# KiCad board BDCMotorController.kicad_pcb (continued)
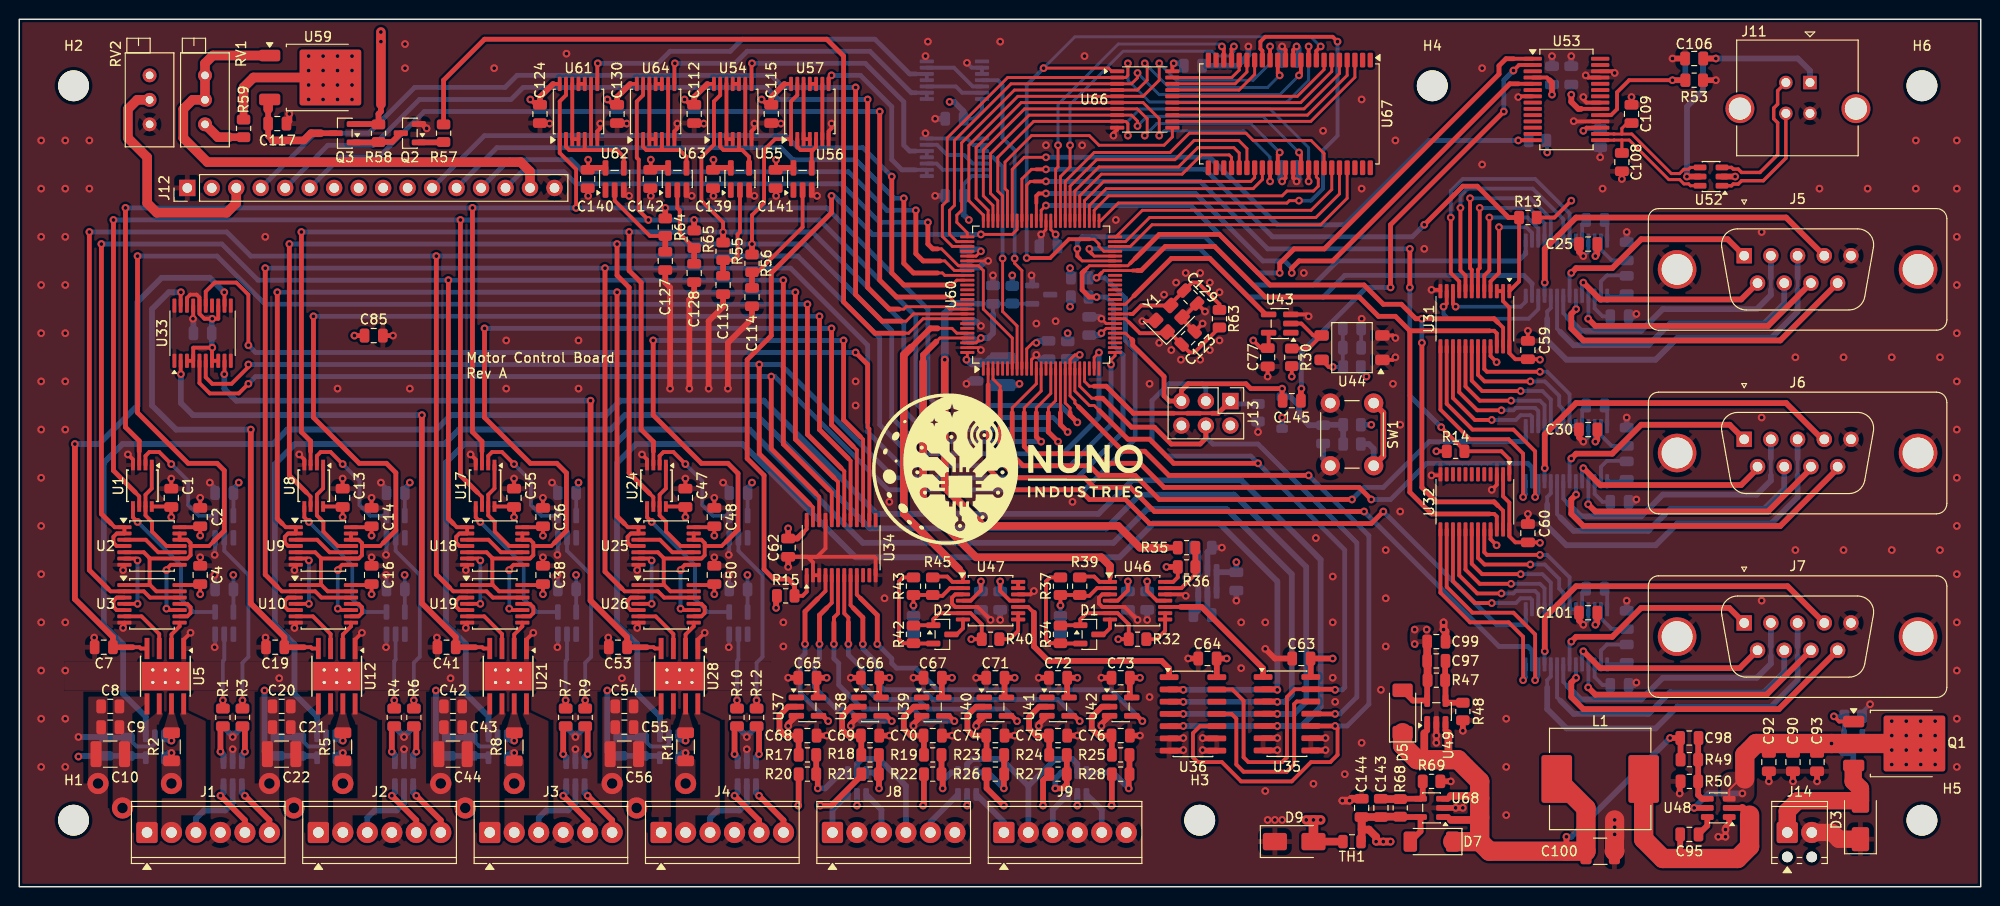
[diagram p0: board, top side]
## Library data of the parts
C1 C2 C4-C8 C11 C13 C14 C16-C20 C23 C35 C36 C38-C42 C45 C47 C48 C50-C54 C57 C61 C62 C65-C67 C71-C73 C77 C112 C115-C117 C124 C130 C132 C139-C142 = -: KiLib_Generator: SMD_2terminal_chip_molded; ki_fp_filters: C_*
C3 C12 C15 C24 C37 C46 C49 C58 C113 C114 C127 C128 = -: Datasheet: https://lcsc.com/datasheet/lcsc_datasheet_2506131735_YAGEO-CC0805KRX7R9BB101_C107140.pdf; Description: Unpolarized capacitor; KiLib_Generator: SMD_2terminal_chip_molded; MPN: CC0805KRX7R9BB101; Status: OK; ki_fp_filters: C_*
C9 C21 C43 C55 = -: Datasheet: https://www.lcsc.com/datasheet/lcsc_datasheet_2304140030_Murata-Electronics-GRM21BR61E106MA73L_C391262.pdf; KiLib_Generator: GRM21BR61E106MA73L; ki_fp_filters: C_*
C10 C22 C44 C56 = -: Datasheet: https://www.lcsc.com/datasheet/lcsc_datasheet_2212021100_Murata-Electronics-GRM32ER61C476KE15L_C77101.pdf; KiLib_Generator: GRM32ER61C476KE15L; ki_fp_filters: CP_*
C25-C34 C59 C60 C63 C64 C68-C70 C74-C76 C78-C84 C90 C91 C94-C97 C101-C107 C110 C118-C122 C125 C126 C131 C133-C138 C143 C145 = -: Description: Unpolarized capacitor; KiLib_Generator: SMD_2terminal_chip_molded; ki_fp_filters: C_*
C85 C92 C93 C99 C111 C144 = -: Datasheet: https://www.lcsc.com/datasheet/lcsc_datasheet_2304140030_Murata-Electronics-GRM21BR61E106MA73L_C391262.pdf; Description: Unpolarized capacitor; KiLib_Generator: GRM21BR61E106MA73L; ki_fp_filters: C_*
C98 C108 C109 C123 C129 = -: Datasheet: https://www.lcsc.com/datasheet/lcsc_datasheet_2304140030_FH--Guangdong-Fenghua-Advanced-Tech-0805CG130J500NT_C501858.pdf; Description: Unpolarized capacitor; KiLib_Generator: SMD_2terminal_chip_molded; Status: OK; MPN: 0805CG130J500NT; ki_fp_filters: C_*
C100 = -: Datasheet: https://www.lcsc.com/datasheet/lcsc_datasheet_2212021100_Murata-Electronics-GRM32ER61C476KE15L_C77101.pdf; Description: Unpolarized capacitor; KiLib_Generator: GRM32ER61C476KE15L; ki_fp_filters: C_*
D1 D2 = -: Datasheet: kicad-embed://BAV99_SER.pdf; Description: BAV99 High-speed switching diodes, SOT-23; KiLib_Generator: package/gullwing; MPN: BAV99,215; Status: OK; ki_fp_filters: SOT?23*
D3 = -: Datasheet: kicad-embed://Littelfuse-TVS-Diode-SMAJ-Datasheet.pdf; Description: 400W bidirectional Transient Voltage Suppressor, 16.0Vr, SMA(DO-214AC); Status: OK; ki_fp_filters: D*SMA*
D4 = -: Datasheet: kicad-embed://bzx84c2v4.pdf; Description: 300mW Zener Diode, SOT-23; KiLib_Generator: package/gullwing; MPN: BZX84C10-7-F; Status: OK; ki_fp_filters: SOT?23*
D5 D7 = -: Datasheet: kicad-embed://CMS30I30A_datasheet_en_20170118.pdf; Description: Schottky diode; MPN: CMS30I30A(TE12L,QM; Status: OK; ki_fp_filters: TO-???* *_Diode_* *SingleDiode* D_*
D6 = -: Datasheet: kicad-embed://MMSD4148T1-D.PDF; Description: Diode; Sim.Device: D; Sim.Pins: 1=K 2=A; Status: OK; MPN: MMSD4148T1G; ki_fp_filters: TO-???* *_Diode_* *SingleDiode* D_*
D9 = -: Datasheet: kicad-embed://Littelfuse-TVS-Diode-SMAJ-Datasheet.pdf; Description: 400W bidirectional Transient Voltage Suppressor, 5.0Vr, SMA(DO-214AC); Status: OK; ki_fp_filters: D*SMA*
H1-H6 = -: Description: Mounting Hole without connection; KiLib_Generator: mounting_hardware/mounting_hole; ki_fp_filters: MountingHole*
J1-J4 J8 J9 = -: Datasheet: kicad-embed://pxc_1725698_09_03_MPT-0-5-6-2-54_FAM.pdf; Description: Generic screw terminal, single row, 01x06, script generated (kicad-library-utils/schlib/autogen/connector/); KiLib_Generator: terminal_block/Phoenix; MPN: 1725698; Status: OK; ki_fp_filters: TerminalBlock*:*
J5-J7 = -: Datasheet: kicad-embed://ENG_CD_2301826_D.pdf; Description: 9-pin D-SUB connector, pins (male), Mounting Hole; KiLib_Generator: connector/D_sub; MPN: 2301826-2; Status: OK; ki_fp_filters: DSUB*Pins*
J11 = -: Datasheet: kicad-embed://ENG_DS_7_1773442_0_0306.pdf; Description: USB Type B connector; Status: OK; MPN: 5787834-1; ki_fp_filters: USB*
J12 = -: Description: Generic connector, single row, 01x16, script generated (kicad-library-utils/schlib/autogen/connector/); KiLib_Generator: connector/pin_header_socket; ki_fp_filters: Connector*:*_1x??_*
J13 = -: Datasheet: https://www.lcsc.com/datasheet/lcsc_datasheet_2306091006_HCTL-PZ254-2-03-Z-8-5_C2894964.pdf; Description: Generic connector, double row, 02x03, odd/even pin numbering scheme (row 1 odd numbers, row 2 even numbers), script generated (kicad-library-utils/schlib/autogen/connector/); KiLib_Generator: connector/pin_header_socket; Status: OK; MPN: PZ254-2-03-Z-8.5; ki_fp_filters: Connector*:*_2x??_*
J14 = -: Datasheet: kicad-embed://pxc_1725656_09_03_MPT-0-5-2-2-54_FAM.pdf; Description: Generic screw terminal, single row, 01x02, script generated (kicad-library-utils/schlib/autogen/connector/); KiLib_Generator: terminal_block/Phoenix; MPN: 1725656; Status: OK; ki_fp_filters: TerminalBlock*:*
L1 = -: Datasheet: https://www.lcsc.com/datasheet/C845077.pdf; Description: Inductor; KiLib_Generator: IHLP4040DZER4R7M01; Status: OK; ki_fp_filters: Choke_* *Coil* Inductor_* L_*
L2 = -: Datasheet: https://product.tdk.com/en/system/files/dam/doc/product/inductor/inductor/smd/catalog/inductor_commercial_standard_nlv32-ef_en.pdf; Description: Inductor; KiLib_Generator: NLV32T-100J-EF; Status: OK; ki_fp_filters: Choke_* *Coil* Inductor_* L_*
Q1 = -: Datasheet: kicad-embed://infineon-irfr5305-datasheet-en.pdf; Description: -35A Id, -60V Vds, P-Channel Power MOSFET, 25mOhm Ron, 25.0nC Qg (typ), TO252; KiLib_Generator: IRFR5305TRPBF; Status: OK; ki_fp_filters: TO?252*
Q2 = -: Datasheet: kicad-embed://BC847X_SER.pdf; Description: 0.1A Ic, 45V Vce, NPN Transistor, SOT-23; KiLib_Generator: package/gullwing; MPN: BC847C,215; Status: OK; ki_fp_filters: SOT?23*
Q3 = -: Datasheet: kicad-embed://infineon-irlml5203-datasheet-en.pdf; Description: -3.0A Id, -30V Vds, 98mOhm Rds, P-Channel HEXFET Power MOSFET, SOT-23; KiLib_Generator: package/gullwing; MPN: IRLML5203TRPBF; Status: OK; ki_fp_filters: SOT?23*
R1 R3 R4 R6 R7 R9 R10 R12-R14 R17-R28 R32-R46 R48 R50-R54 R57-R60 R62 R69 = -: Description: Resistor; KiLib_Generator: SMD_2terminal_chip_molded; ki_fp_filters: R_*
R2 R5 R8 R11 = -: Datasheet: https://lcsc.com/datasheet/lcsc_datasheet_2410121306_TA-I-Tech-RLH12FTCR150_C2683383.pdf; KiLib_Generator: RLH12FTCR150; Status: OK; ki_fp_filters: R_*
R15 R16 R30 R31 R66 R67 = -: KiLib_Generator: SMD_2terminal_chip_molded; ki_fp_filters: R_*
R29 R61 = -: Datasheet: https://datasheet.lcsc.com/lcsc/2012011712_YAGEO-AC0805FR-7W160RL_C727986.pdf; KiLib_Generator: SMD_2terminal_chip_molded; MPN: AC0805FR-7W160RL; Status: OK; ki_fp_filters: R_*
R47 R68 = -: Datasheet: https://www.lcsc.com/datasheet/lcsc_datasheet_2304140030_YAGEO-RT0805BRD0780K6L_C728657.pdf; Description: Resistor; KiLib_Generator: SMD_2terminal_chip_molded; Status: OK; MPN: RT0805BRD0780K6L; ki_fp_filters: R_*
R49 = -: Datasheet: https://www.lcsc.com/datasheet/lcsc_datasheet_2405061538_RESI-PTFR0805B61K9P9_C2849298.pdf; Description: Resistor; KiLib_Generator: SMD_2terminal_chip_molded; Status: OK; MPN: PTFR0805B61K9P9; ki_fp_filters: R_*
R55 R56 R63-R65 = -: Datasheet: https://www.lcsc.com/datasheet/lcsc_datasheet_1810311438_YAGEO-RT0805BRD07100KL_C122537.pdf; Description: Resistor; KiLib_Generator: SMD_2terminal_chip_molded; MPN: RT0805BRD07100KL; Status: OK; ki_fp_filters: R_*
RV1 = -: Datasheet: https://www.lcsc.com/datasheet/C111790.pdf; Description: Potentiometer; KiLib_Generator: potentiometer/THT; MPN: 3296X-1-201LF; Status: OK; ki_fp_filters: Potentiometer*
RV2 = -: Datasheet: https://www.lcsc.com/datasheet/C111776.pdf; Description: Potentiometer; KiLib_Generator: potentiometer/THT; MPN: 3296X-1-103LF; Status: OK; ki_fp_filters: Potentiometer*
SW1 = -: Datasheet: https://www.lcsc.com/datasheet/C513492.pdf; Description: Push button switch, generic, two pins; Status: OK; MPN: 2-1825910-7
TH1 = -: Datasheet: kicad-embed://mf-psmf.pdf; Description: Temperature dependent resistor, positive temperature coefficient; KiLib_Generator: MF-PSMF035X-2; Status: OK; ki_fp_filters: R_* RV_*
U1 U8 U17 U24 = -: Datasheet: kicad-embed://74AHC_AHCT2G125.pdf; Description: Dual Buffer Tri-State, Low-Voltage CMOS; MPN: 74AHC2G125DP,125; Status: OK; ki_fp_filters: VSSOP*
U2 U3 U9 U10 U18 U19 U25 U26 U54 U57 U58 U61 U64 U65 = -: Datasheet: kicad-embed://sn74ahc00.pdf; Description: quad 2-input NAND gate; KiLib_Generator: package/gullwing; MPN: SN74AHC00PWR; Status: OK; ki_fp_filters: DIP*W7.62mm* SO14*
U4 U6 U11 U13 U20 U22 U27 U29 U37-U43 U55 U56 U62 U63 = -: Datasheet: kicad-embed://74AHC_AHCT1G17.pdf; Description: Single Schmitt Buffer Gate, Low-Voltage CMOS; KiLib_Generator: package/gullwing; MPN: 74AHC1G17GVH; Status: OK; ki_fp_filters: SOT?23* SOT?553* Texas?R-PDSO-G5?DCK* Texas?R-PDSO-N5?DRL* Texas?X2SON*0.8x0.8mm*P0.48mm*
U5 U12 U21 U28 = -: Datasheet: kicad-embed://drv8870.pdf; MPN: DRV8870DDAR; Status: OK; ki_fp_filters: Texas*HTSOP*1EP*3.9x4.9mm*P1.27mm*EP2.95x4.9mm*Mask2.4x3.1mm*
U7 U14 U23 U30 = -: Datasheet: kicad-embed://ina180.pdf; KiLib_Generator: package/gullwing; MPN: INA180A1IDBVR; Status: OK; ki_fp_filters: SOT?23*
U15 U16 U51 = -: Datasheet: kicad-embed://SP3243E.pdf; Description: RS-232 Transceivers 3 Driver/5 Receiver Intelligent +3.0V to +5.5V, TSSOP-28 / SSOP-28; KiLib_Generator: package/gullwing; MPN: SP3243EBEY-L/TR; Status: OK; ki_fp_filters: *DIP*W7.62* *SOIC*7.*15.*P1.27mm* *SSOP*5.3*8.*P0.65mm*
U31 U32 U34 = -: Datasheet: kicad-embed://PCA9555.pdf; Description: IO expander 16 GPIO, I2C 400kHz, Interrupt, 2.3 - 5.5V, TSSOP-24; KiLib_Generator: package/gullwing; MPN: PCA9555PW,118; Status: OK; ki_fp_filters: TSSOP*4.4x7.8mm*P0.65mm*
U33 = -: Datasheet: kicad-embed://22267A_MCP4431.pdf; Description: Quad 8 Bit Digital Potentiometer, I²C, Volatile Memory, TSSOP-20; KiLib_Generator: package/gullwing; MPN: MCP4451-103E/ST; Status: OK; ki_fp_filters: TSSOP*4.4x6.5mm*P0.65mm*
U35 U36 = -: Datasheet: kicad-embed://21117B.pdf; Description: Single-Ended, Rail-to-Rail I/O, Low Gain PGA; KiLib_Generator: package/gullwing; MPN: MCP6S26-I/SL; Status: OK; ki_fp_filters: TSSOP*3x3mm*P0.5mm*
U44 = -: Datasheet: kicad-embed://DMO-0000682_IRM-H6xxJ7-V4.pdf; Description: IR Receiver Modules for remote controls; MPN: IRM-H638J7/TR2(CLW); Status: OK; ki_fp_filters: Everlight*IRM?H6xxT*
U45 = -: Datasheet: kicad-embed://lm4040.pdf; Description: 3.0V Precision Micropower Shunt Voltage Reference, SOT-23; KiLib_Generator: package/gullwing; MPN: LM4040B30IDBZR; Status: OK; ki_fp_filters: SOT?23*
U46 U47 = -: Datasheet: kicad-embed://ad8646_8647_8648.pdf; Description: Quad Rail-to-Rail Input/Output Amplifiers, TSSOP-14; KiLib_Generator: package/gullwing; MPN: AD8648ARUZ; Status: OK; ki_fp_filters: TSSOP*4.4x5mm*P0.65mm*
U48 = -: Datasheet: kicad-embed://tps561208.pdf; Description: 2A, 4.5 to 28V Input, EMI Friendly integrated switch synchronous step-down regulator, pulse-skipping, SOT-23-6; KiLib_Generator: package/gullwing; Status: OK; ki_fp_filters: SOT?23*
U49 U68 = -: Datasheet: kicad-embed://tlv758p.pdf; Description: Cap free NMOS 400mA Low Drop Adjustable Out Regulator, SOT-23-5; KiLib_Generator: package/gullwing; Status: OK; ki_fp_filters: SOT?23*
U50 = -: Datasheet: kicad-embed://lm2776.pdf; Description: Switched capacitor inverter, inverts positive voltage +2.7 to +5.5V to negative, 200mA, SOT-23-6; KiLib_Generator: package/gullwing; MPN: LM2776DBVR; Status: OK; ki_fp_filters: SOT?23*
U52 U69-U75 = -: Datasheet: kicad-embed://usblc6-2.pdf; Description: Very low capacitance ESD protection diode, 2 data-line, SOT-23-6; KiLib_Generator: package/gullwing; Status: OK; ki_fp_filters: SOT?23*
U53 = -: Datasheet: kicad-embed://DS_FT232RN.pdf; Description: USB to Serial Interface, SSOP-28; KiLib_Generator: package/gullwing; MPN: FT232RNL-REEL; Status: OK; ki_fp_filters: SSOP*5.3x10.2mm*P0.65mm*
U59 = -: Datasheet: kicad-embed://lm217m.pdf; Description: 1.5A 35V Adjustable Linear Regulator, TO-252; KiLib_Generator: LM317MDT-TR; Status: OK; ki_fp_filters: TO?252*
U60 = -: Datasheet: kicad-embed://Atmel-2549-8-bit-AVR-Microcontroller-ATmega640-1280-1281-2560-2561_datasheet.pdf; Description: 16MHz, 256kB Flash, 8kB SRAM, 4kB EEPROM, JTAG, TQFP-100; KiLib_Generator: package/gullwing; MPN: ATMEGA2560-16AU; Status: OK; ki_fp_filters: TQFP*14x14mm*P0.5mm*
U66 = -: Datasheet: kicad-embed://74AHC_AHCT573.pdf; Description: 8-bit Latch 3-state outputs; KiLib_Generator: package/gullwing; MPN: 74AHC573PW,118; Status: OK; ki_fp_filters: DIP?20*
U67 = -: Datasheet: kicad-embed://as7c4096a_v1.3.pdf; Description: 512K x 8 HIGH-SPEED CMOS STATIC RAM, 10ns, TSOP II-44; KiLib_Generator: package/gullwing; MPN: AS7C4096A-12TIN; Status: OK; ki_fp_filters: TSOP*10.16*18.*P0.8mm*
Y1 = -: Datasheet: kicad-embed://TSX-3225_en.pdf; Description: Four pin crystal, GND on pins 2 and 4; KiLib_Generator: crystal_resonator_oscillator; MPN: X1E0000210119; Status: OK; ki_fp_filters: Crystal*

## Footprints (pads in the part's own frame, mm; a bottom-side part is the same pattern mirrored in y, then rotated)
C_0805_2012Metric
  rrect 1x1.45 smd: 1(-0.95,0) 2(0.95,0)
C_1210_3225Metric
  rrect 1.15x2.7 smd: 1(-1.475,0) 2(1.475,0)
Crystal_SMD_3225-4Pin_3.2x2.5mm
  rrect 1.4x1.2 smd: 1(-1.1,-0.85) 2(1.1,-0.85) 3(1.1,0.85) 4(-1.1,0.85)
D_SMA
  rrect 2.5x1.8 smd: 1(-2,0) 2(2,0)
D_SOD-123
  rrect 0.9x1.2 smd: 1(-1.65,0) 2(1.65,0)
D_SOD-128
  rrect 1.4x2.1 smd: 1(-2.2,0) 2(2.2,0)
DSUB-9_Pins_Vertical_P2.77x2.84mm_MountingHoles
  rect 1.6x1.6 hole 1: 1(0,0)
  round 1.6 hole 1: 2(2.77,0) 3(5.54,0) 4(8.31,0) 5(11.08,0) 6(1.385,-2.84) 7(4.155,-2.84) 8(6.925,-2.84) 9(9.695,-2.84)
  round 4 hole 3.2: SH(-6.96,-1.42) SH(18.04,-1.42)
Everlight_IRM-H6xxT
  rrect 1.5x1.1 smd: 1(-3.15,1.27) 2(-3.15,-1.27) 3(3.15,-1.27) 4(3.15,1.27)
Fuse_0805_2012Metric
  rrect 0.975x1.4 smd: 1(-0.938,0) 2(0.938,0)
L_1210_3225Metric
  rrect 1.25x2.65 smd: 1(-1.4,0) 2(1.4,0)
L_Vishay_IHLP-4040
  rrect 3.175x4.953 smd: 1(-4.508,0) 2(4.508,0)
MountingHole_3.2mm_M3
  round 3.2 hole 3.2 unplated: (0,0)
PinHeader_1x16_P2.54mm_Vertical
  rect 1.7x1.7 hole 1: 1(0,0)
  round 1.7 hole 1: 2(0,-2.54) 3(0,-5.08) 4(0,-7.62) 5(0,-10.16) 6(0,-12.7) 7(0,-15.24) 8(0,-17.78) 9(0,-20.32) 10(0,-22.86) 11(0,-25.4) 12(0,-27.94) 13(0,-30.48) 14(0,-33.02) 15(0,-35.56) 16(0,-38.1)
PinHeader_2x03_P2.54mm_Vertical
  rect 1.7x1.7 hole 1: 1(0,0)
  round 1.7 hole 1: 2(2.54,0) 3(0,-2.54) 4(2.54,-2.54) 5(0,-5.08) 6(2.54,-5.08)
Potentiometer_Bourns_3296X_Horizontal
  round 1.44 hole 0.8: 1(0,0) 2(-2.54,0) 3(-5.08,0)
R_0805_2012Metric
  rrect 1.025x1.4 smd: 1(-0.912,0) 2(0.912,0)
R_1206_3216Metric
  rrect 1.125x1.75 smd: 1(-1.462,0) 2(1.462,0)
SC-74A-5_1.55x2.9mm_P0.95mm
  rrect 1.6x0.6 smd: 1(-1.15,0.95) 2(-1.15,0) 3(-1.15,-0.95) 4(1.15,-0.95) 5(1.15,0.95)
SOIC-14_3.9x8.7mm_P1.27mm
  rrect 1.95x0.6 smd: 1(-2.475,3.81) 2(-2.475,2.54) 3(-2.475,1.27) 4(-2.475,0) 5(-2.475,-1.27) 6(-2.475,-2.54) 7(-2.475,-3.81) 8(2.475,-3.81) 9(2.475,-2.54) 10(2.475,-1.27) 11(2.475,0) 12(2.475,1.27) 13(2.475,2.54) 14(2.475,3.81)
SOT-23
  rrect 1.475x0.6 smd: 1(-0.938,0.95) 2(-0.938,-0.95) 3(0.938,0)
SOT-23-5
  rrect 1.325x0.6 smd: 1(-1.137,0.95) 2(-1.137,0) 3(-1.137,-0.95) 4(1.137,-0.95) 5(1.137,0.95)
SOT-23-6
  rrect 1.325x0.6 smd: 1(-1.137,0.95) 2(-1.137,0) 3(-1.137,-0.95) 4(1.137,-0.95) 5(1.137,0) 6(1.137,0.95)
SSOP-28_5.3x10.2mm_P0.65mm
  rrect 1.9x0.4 smd: 1(-3.5,4.225) 2(-3.5,3.575) 3(-3.5,2.925) 4(-3.5,2.275) 5(-3.5,1.625) 6(-3.5,0.975) 7(-3.5,0.325) 8(-3.5,-0.325) 9(-3.5,-0.975) 10(-3.5,-1.625) 11(-3.5,-2.275) 12(-3.5,-2.925) 13(-3.5,-3.575) 14(-3.5,-4.225) 15(3.5,-4.225) 16(3.5,-3.575) 17(3.5,-2.925) 18(3.5,-2.275) 19(3.5,-1.625) 20(3.5,-0.975) 21(3.5,-0.325) 22(3.5,0.325) 23(3.5,0.975) 24(3.5,1.625) 25(3.5,2.275) 26(3.5,2.925) 27(3.5,3.575) 28(3.5,4.225)
SW_PUSH_6mm_H13mm
  round 2 hole 1.1: 1(0,0) 1(6.5,0) 2(0,-4.5) 2(6.5,-4.5)
TerminalBlock_Phoenix_MPT-0,5-2-2.54_1x02_P2.54mm_Horizontal
  round 1.1 hole 1.1 unplated: (0,-2.54) (2.54,-2.54)
  rrect 2.2x2.2 hole 1.1: 1(0,0)
  round 2.2 hole 1.1: 2(2.54,0)
TerminalBlock_Phoenix_MPT-0,5-6-2.54_1x06_P2.54mm_Horizontal
  rrect 2.2x2.2 hole 1.1: 1(0,0)
  round 2.2 hole 1.1: 2(2.54,0) 3(5.08,0) 4(7.62,0) 5(10.16,0) 6(12.7,0)
Texas_HTSOP-8-1EP_3.9x4.9mm_P1.27mm_EP2.95x4.9mm_Mask2.4x3.1mm_ThermalVias
  rect 2.4x3.1 smd: (0,0) (0,0)
  rect 2.2x0.5 smd: 1(-2.875,1.905) 2(-2.875,0.635) 3(-2.875,-0.635) 4(-2.875,-1.905) 5(2.875,-1.905) 6(2.875,-0.635) 7(2.875,0.635) 8(2.875,1.905)
  round 0.63 hole 0.33: 9(-0.65,1.3) 9(-0.65,0) 9(-0.65,-1.3) 9(0.65,1.3) 9(0.65,0) 9(0.65,-1.3)
  rect 2.6x3.3 smd far side: 9(0,0)
  rect 2.95x4.9 smd: 9(0,0)
TO-252-2
  rrect 3.05x2.75 smd: (-0.415,1.525) (-0.415,-1.525) (2.935,1.525) (2.935,-1.525)
  rrect 2.2x1.2 smd: 1(-5.04,2.28) 3(-5.04,-2.28)
  rrect 6.4x5.8 smd: 2(1.26,0)
TQFP-100_14x14mm_P0.5mm
  rrect 1.475x0.3 smd: 1(-7.662,6) 2(-7.662,5.5) 3(-7.662,5) 4(-7.662,4.5) 5(-7.662,4) 6(-7.662,3.5) 7(-7.662,3) 8(-7.662,2.5) 9(-7.662,2) 10(-7.662,1.5) 11(-7.662,1) 12(-7.662,0.5) 13(-7.662,0) 14(-7.662,-0.5) 15(-7.662,-1) 16(-7.662,-1.5) 17(-7.662,-2) 18(-7.662,-2.5) 19(-7.662,-3) 20(-7.662,-3.5) 21(-7.662,-4) 22(-7.662,-4.5) 23(-7.662,-5) 24(-7.662,-5.5) 25(-7.662,-6) 51(7.662,-6) 52(7.662,-5.5) 53(7.662,-5) 54(7.662,-4.5) 55(7.662,-4) 56(7.662,-3.5) 57(7.662,-3) 58(7.662,-2.5) 59(7.662,-2) 60(7.662,-1.5) 61(7.662,-1) 62(7.662,-0.5) 63(7.662,0) 64(7.662,0.5) 65(7.662,1) 66(7.662,1.5) 67(7.662,2) 68(7.662,2.5) 69(7.662,3) 70(7.662,3.5) 71(7.662,4) 72(7.662,4.5) 73(7.662,5) 74(7.662,5.5) 75(7.662,6)
  rrect 0.3x1.475 smd: 26(-6,-7.662) 27(-5.5,-7.662) 28(-5,-7.662) 29(-4.5,-7.662) 30(-4,-7.662) 31(-3.5,-7.662) 32(-3,-7.662) 33(-2.5,-7.662) 34(-2,-7.662) 35(-1.5,-7.662) 36(-1,-7.662) 37(-0.5,-7.662) 38(0,-7.662) 39(0.5,-7.662) 40(1,-7.662) 41(1.5,-7.662) 42(2,-7.662) 43(2.5,-7.662) 44(3,-7.662) 45(3.5,-7.662) 46(4,-7.662) 47(4.5,-7.662) 48(5,-7.662) 49(5.5,-7.662) 50(6,-7.662) 76(6,7.662) 77(5.5,7.662) 78(5,7.662) 79(4.5,7.662) 80(4,7.662) 81(3.5,7.662) 82(3,7.662) 83(2.5,7.662) 84(2,7.662) 85(1.5,7.662) 86(1,7.662) 87(0.5,7.662) 88(0,7.662) 89(-0.5,7.662) 90(-1,7.662) 91(-1.5,7.662) 92(-2,7.662) 93(-2.5,7.662) 94(-3,7.662) 95(-3.5,7.662) 96(-4,7.662) 97(-4.5,7.662) 98(-5,7.662) 99(-5.5,7.662) 100(-6,7.662)
TSOP-II-44_10.16x18.41mm_P0.8mm
  rrect 1.525x0.55 smd: 1(-5.588,8.4) 2(-5.588,7.6) 3(-5.588,6.8) 4(-5.588,6) 5(-5.588,5.2) 6(-5.588,4.4) 7(-5.588,3.6) 8(-5.588,2.8) 9(-5.588,2) 10(-5.588,1.2) 11(-5.588,0.4) 12(-5.588,-0.4) 13(-5.588,-1.2) 14(-5.588,-2) 15(-5.588,-2.8) 16(-5.588,-3.6) 17(-5.588,-4.4) 18(-5.588,-5.2) 19(-5.588,-6) 20(-5.588,-6.8) 21(-5.588,-7.6) 22(-5.588,-8.4) 23(5.588,-8.4) 24(5.588,-7.6) 25(5.588,-6.8) 26(5.588,-6) 27(5.588,-5.2) 28(5.588,-4.4) 29(5.588,-3.6) 30(5.588,-2.8) 31(5.588,-2) 32(5.588,-1.2) 33(5.588,-0.4) 34(5.588,0.4) 35(5.588,1.2) 36(5.588,2) 37(5.588,2.8) 38(5.588,3.6) 39(5.588,4.4) 40(5.588,5.2) 41(5.588,6) 42(5.588,6.8) 43(5.588,7.6) 44(5.588,8.4)
TSSOP-8_3x3mm_P0.65mm
  rect 1.1x0.4 smd: 1(-2.15,0.975) 2(-2.15,0.325) 3(-2.15,-0.325) 4(-2.15,-0.975) 5(2.15,-0.975) 6(2.15,-0.325) 7(2.15,0.325) 8(2.15,0.975)
TSSOP-14_4.4x5mm_P0.65mm
  rrect 1.475x0.4 smd: 1(-2.862,1.95) 2(-2.862,1.3) 3(-2.862,0.65) 4(-2.862,0) 5(-2.862,-0.65) 6(-2.862,-1.3) 7(-2.862,-1.95) 8(2.862,-1.95) 9(2.862,-1.3) 10(2.862,-0.65) 11(2.862,0) 12(2.862,0.65) 13(2.862,1.3) 14(2.862,1.95)
TSSOP-20_4.4x6.5mm_P0.65mm
  rrect 1.475x0.4 smd: 1(-2.862,2.925) 2(-2.862,2.275) 3(-2.862,1.625) 4(-2.862,0.975) 5(-2.862,0.325) 6(-2.862,-0.325) 7(-2.862,-0.975) 8(-2.862,-1.625) 9(-2.862,-2.275) 10(-2.862,-2.925) 11(2.862,-2.925) 12(2.862,-2.275) 13(2.862,-1.625) 14(2.862,-0.975) 15(2.862,-0.325) 16(2.862,0.325) 17(2.862,0.975) 18(2.862,1.625) 19(2.862,2.275) 20(2.862,2.925)
TSSOP-24_4.4x7.8mm_P0.65mm
  rrect 1.475x0.4 smd: 1(-2.862,3.575) 2(-2.862,2.925) 3(-2.862,2.275) 4(-2.862,1.625) 5(-2.862,0.975) 6(-2.862,0.325) 7(-2.862,-0.325) 8(-2.862,-0.975) 9(-2.862,-1.625) 10(-2.862,-2.275) 11(-2.862,-2.925) 12(-2.862,-3.575) 13(2.862,-3.575) 14(2.862,-2.925) 15(2.862,-2.275) 16(2.862,-1.625) 17(2.862,-0.975) 18(2.862,-0.325) 19(2.862,0.325) 20(2.862,0.975) 21(2.862,1.625) 22(2.862,2.275) 23(2.862,2.925) 24(2.862,3.575)
TSSOP-28_4.4x9.7mm_P0.65mm
  rrect 1.475x0.4 smd: 1(-2.862,4.225) 2(-2.862,3.575) 3(-2.862,2.925) 4(-2.862,2.275) 5(-2.862,1.625) 6(-2.862,0.975) 7(-2.862,0.325) 8(-2.862,-0.325) 9(-2.862,-0.975) 10(-2.862,-1.625) 11(-2.862,-2.275) 12(-2.862,-2.925) 13(-2.862,-3.575) 14(-2.862,-4.225) 15(2.862,-4.225) 16(2.862,-3.575) 17(2.862,-2.925) 18(2.862,-2.275) 19(2.862,-1.625) 20(2.862,-0.975) 21(2.862,-0.325) 22(2.862,0.325) 23(2.862,0.975) 24(2.862,1.625) 25(2.862,2.275) 26(2.862,2.925) 27(2.862,3.575) 28(2.862,4.225)
USB_B_TE_5787834_Vertical
  rect 1.4x1.4 hole 0.92: 1(0,0)
  round 1.4 hole 0.92: 2(-2.5,0) 3(-2.5,-3.2) 4(0,-3.2)
  round 3 hole 2.3: SH(-7.27,-2.71) SH(4.77,-2.71)

## Nets
+3VADC: C81.1 C125.1 R31.2 R35.2 U45.1 U60.98
+5V: C1.1 C2.1 C4.1 C5.1 C6.1 C11.1 C13.1 C14.1 C16.1 C17.1 C18.1 C23.1 C35.1 C36.1 C38.1 C39.1 C40.1 C45.1 C47.1 C48.1 C50.1 C51.1 C52.1 C57.1 C59.1 C60.1 C61.1 C62.1 C63.1 C64.1 C65.1 C66.1 C67.1 C71.1 C72.1 C73.1 C77.1 C80.1 C83.1 C85.1 C91.1 C97.1 C99.1 C110.1 C111.1 C112.1 C115.1 C116.1 C118.1 C119.1 C120.1 C121.1 C124.1 C130.1 C131.1 C132.1 C133.1 C134.1 C135.1 C136.1 C137.1 C138.1 C139.1 C140.1 C141.1 C142.1 D5.2 D6.1 J12.2 J13.2 L2.1 R13.2 R14.2 R15.1 R29.2 R30.1 R31.1 R47.1 R54.1 R60.1 R62.1 R66.1 R67.1 RV2.3 U1.8 U2.14 U3.14 U4.5 U6.5 U7.5 U8.8 U9.14 U10.14 U11.5 U13.5 U14.5 U17.8 U18.14 U19.14 U20.5 U22.5 U23.5 U24.8 U25.14 U26.14 U27.5 U29.5 U30.5 U31.2 U31.3 U31.21 U31.24 U32.2 U32.21 U32.24 U33.1 U33.10 U33.11 U33.17 U33.20 U34.24 U35.14 U36.14 U37.5 U38.5 U39.5 U40.5 U41.5 U42.5 U43.5 U46.4 U47.4 U49.5 U50.3 U50.4 U53.4 U53.20 U54.14 U55.5 U56.5 U57.14 U58.14 U60.10 U60.31 U60.61 U60.80 U61.14 U62.5 U63.5 U64.14 U65.14 U66.20 U67.11 U67.33
+5VA: C122.1 L2.2 U60.100
+5VD: C25.1 C30.1 C101.1 C143.1 C144.1 D7.2 R68.1 TH1.2 U15.26 U16.26 U51.26 U68.5
+5VL: D9.2 J1.3 J2.3 J3.3 J4.3 R20.2 R21.2 R22.2 R26.2 R27.2 R28.2 TH1.1 U69.5 U70.5 U71.5 U72.5 U73.5 U74.5 U75.5
-5V: C82.2 C84.2 C96.1 U46.11 U47.11 U50.1
/Power/5V5: C98.1 C100.1 D5.1 D7.1 L1.2 R49.1 U49.1 U49.3 U68.1 U68.3
/USB/VBUS_ON: R51.2 R52.2 R53.1 U53.19
GND: C1.2 C2.2 C3.2 C4.2 C5.2 C6.2 C7.2 C8.2 C9.2 C10.2 C11.2 C12.2 C13.2 C14.2 C15.2 C16.2 C17.2 C18.2 C19.2 C20.2 C21.2 C22.2 C23.2 C24.2 C25.2 C27.2 C29.2 C30.2 C32.2 C34.2 C35.2 C36.2 C37.2 C38.2 C39.2 C40.2 C41.2 C42.2 C43.2 C44.2 C45.2 C46.2 C47.2 C48.2 C49.2 C50.2 C51.2 C52.2 C53.2 C54.2 C55.2 C56.2 C57.2 C58.2 C59.2 C60.2 C61.2 C62.2 C63.2 C64.2 C65.2 C66.2 C67.2 C68.2 C69.2 C70.2 C71.2 C72.2 C73.2 C74.2 C75.2 C76.2 C77.2 C78.2 C79.2 C80.2 C81.2 C82.1 C83.2 C84.1 C85.2 C90.1 C91.2 C92.2 C93.2 C96.2 C99.2 C100.2 C101.2 C103.2 C105.2 C106.2 C107.2 C108.2 C109.2 C110.2 C111.2 C112.2 C113.2 C114.2 C115.2 C116.2 C117.2 C118.2 C119.2 C120.2 C121.2 C122.2 C123.2 C124.2 C125.2 C126.2 C127.2 C128.2 C129.2 C130.2 C131.2 C132.2 C133.2 C134.2 C135.2 C136.2 C137.2 C138.2 C139.2 C140.2 C141.2 C142.2 C144.2 D3.1 D9.1 J1.4 J2.4 J3.4 J4.4 J5.5 J5.SH J6.5 J6.SH J7.5 J7.SH J8.2 J8.4 J8.6 J9.2 J9.4 J9.6 J11.4 J12.1 J12.16 J13.6 J14.2 Q2.2 R2.1 R5.1 R8.1 R11.1 R16.2 R46.2 R48.2 R50.2 R53.2 R69.2 RV2.1 SW1.1 U1.4 U2.7 U3.7 U4.3 U5.1 U5.9 U6.3 U7.2 U7.4 U8.4 U9.7 U10.7 U11.3 U12.1 U12.9 U13.3 U14.2 U14.4 U15.25 U16.25 U17.4 U18.7 U19.7 U20.3 U21.1 U21.9 U22.3 U23.2 U23.4 U24.4 U25.7 U26.7 U27.3 U28.1 U28.9 U29.3 U30.2 U30.4 U31.12 U32.3 U32.12 U33.3 U33.4 U33.7 U33.8 U33.13 U33.16 U33.18 U34.2 U34.3 U34.12 U34.21 U35.6 U35.7 U35.8 U35.9 U36.6 U36.7 U36.8 U36.9 U37.3 U38.3 U39.3 U40.3 U41.3 U42.3 U43.3 U44.1 U44.2 U45.2 U46.3 U46.5 U46.12 U47.3 U47.5 U47.12 U48.1 U49.2 U50.2 U51.25 U52.2 U53.7 U53.18 U53.21 U53.25 U53.26 U54.7 U55.3 U56.3 U57.7 U58.7 U58.9 U58.10 U60.11 U60.32 U60.62 U60.81 U60.99 U61.7 U62.3 U63.3 U64.7 U65.7 U65.9 U65.10 U66.10 U67.12 U67.34 U68.2 U69.2 U70.2 U71.2 U72.2 U73.2 U74.2 U75.2 Y1.2 Y1.4
VBUS: C106.1 J11.1 R51.1 R52.1 U52.5
/ADC conditioning/-VREF: R33.2 R36.2 R38.1 R41.2 R44.1 U46.14
/ADC conditioning/VA0: R32.2 U46.8 U46.9
/ADC conditioning/VA0_IN: U35.1 U46.10
/ADC conditioning/VA0_OUT: R39.1 U46.1 U60.97
/ADC conditioning/VA1: R40.2 U47.8 U47.9
/ADC conditioning/VA1_IN: U36.1 U47.10
/ADC conditioning/VA1_OUT: R45.1 U47.1 U60.96
/IR Receiver/RX: U43.4 U60.36
/LCD/BL_LED: J12.15 RV1.2 RV1.3 U59.1
/LCD/BL_ON: R57.1 U60.93
/LCD/DB0: J12.7
/LCD/DB1: J12.8
/LCD/DB2: J12.9
/LCD/DB3: J12.10
/LCD/DB4: J12.11 U60.85
/LCD/DB5: J12.12 U60.84
/LCD/DB6: J12.13 U60.83
/LCD/DB7: J12.14 U60.7 U60.82
/LCD/E: J12.6 U60.90
/LCD/RS: J12.4 U60.92
/LCD/R~{W}: J12.5 U60.91
/LCD/Vo: J12.3 RV2.2
/MCU/INT4: U60.6
/MCU/INT6: U58.11 U60.8
/MCU/INT7: U60.9 U65.11
/MCU/MISO: J13.1 R16.1 U60.22
/MCU/MOSI: J13.4 U35.11 U60.21
/MCU/OC1A: U3.2 U3.12 U19.2 U19.12 U60.24
/MCU/OC1C: U10.2 U10.12 U26.2 U26.12 U60.26
/MCU/PCINT12: R14.1 U32.1 U60.66
/MCU/PCINT13: R13.1 U31.1 U60.67
/MCU/PCINT14: R15.2 U34.1 U60.68
/MCU/PCINT15: R54.2 U53.14 U60.69
/MCU/PH3: R56.1 U8.6 U24.6 U57.1 U57.13 U60.15
/MCU/PH4: R55.1 U8.3 U24.3 U54.1 U54.13 U60.16
/MCU/PH5: R65.1 U1.6 U17.6 U60.17 U64.1 U64.13
/MCU/PH6: R64.1 U1.3 U17.3 U60.18 U61.1 U61.13
/MCU/PK0: U60.89
/MCU/PK1: U60.88
/MCU/PK2: U60.87
/MCU/PK3: U60.86
/MCU/RESET_TRIGGER: C145.2 U53.2
/MCU/RXD0: U51.15 U60.2
/MCU/RXD1: U15.15 U60.45
/MCU/RXD2: U16.15 U60.12
/MCU/RXD3: U53.1 U60.63
/MCU/SCK: J13.3 U35.13 U36.13 U60.20
/MCU/SCL: R67.2 U31.22 U32.22 U33.5 U34.22 U60.43
/MCU/SDA: R66.2 U31.23 U32.23 U33.6 U34.23 U60.44
/MCU/TXD0: U51.13 U60.3
/MCU/TXD1: U15.13 U60.46
/MCU/TXD2: U16.13 U60.13
/MCU/TXD3: U53.5 U60.64
/MCU/XMEM_A00: U66.19 U67.18
/MCU/XMEM_A01: U66.18 U67.17
/MCU/XMEM_A02: U66.17 U67.16
/MCU/XMEM_A03: U66.16 U67.7
/MCU/XMEM_A04: U66.15 U67.6
/MCU/XMEM_A05: U66.14 U67.5
/MCU/XMEM_A06: U66.13 U67.4
/MCU/XMEM_A07: U66.12 U67.3
/MCU/XMEM_A08: U60.53 U67.30
/MCU/XMEM_A09: U60.54 U67.29
/MCU/XMEM_A10: U60.55 U67.26
/MCU/XMEM_A11: U60.56 U67.27
/MCU/XMEM_A12: U60.57 U67.28
/MCU/XMEM_A13: U60.58 U67.38
/MCU/XMEM_A14: U60.59 U67.19
/MCU/XMEM_A15: U60.60 U67.20
/MCU/XMEM_AD0: U60.78 U66.2 U67.9
/MCU/XMEM_AD1: U60.77 U66.3 U67.10
/MCU/XMEM_AD2: U60.76 U66.4 U67.13
/MCU/XMEM_AD3: U60.75 U66.5 U67.14
/MCU/XMEM_AD4: U60.74 U66.6 U67.31
/MCU/XMEM_AD5: U60.73 U66.7 U67.32
/MCU/XMEM_AD6: U60.72 U66.8 U67.35
/MCU/XMEM_AD7: U60.71 U66.9 U67.36
/MCU/XMEM_ALE: U60.70 U66.11
/MCU/XMEM_BANK1: U60.48 U67.41
/MCU/XMEM_BANK2: U60.49 U67.40
/MCU/XMEM_BANK3: U60.50 U67.39
/MCU/XMEM_~{RD}: U60.52 U67.37
/MCU/XMEM_~{WR}: U60.51 U67.15
/MCU/XTAL1: C129.1 R63.2 U60.34 Y1.3
/MCU/XTAL2: C123.1 R63.1 U60.33 Y1.1
/MCU/~{RESET}: C126.1 C145.1 D6.2 J13.5 R61.1 R62.2 U60.30
/MCU/~{SS}: R60.2 U35.10 U36.10 U60.19
/MCU/~{XMEM_EN}: U60.47 U66.1 U67.8
/Motor Control/CURRENT_M1A: U7.1 U35.5 U36.5
/Motor Control/CURRENT_M1B: U14.1 U35.4 U36.4
/Motor Control/CURRENT_M2A: U23.1 U35.3 U36.3
/Motor Control/CURRENT_M2B: U30.1 U35.2 U36.2
/Motor Control/EN_M1A: U2.5 U2.9 U2.12 U2.13 U3.1 U3.13 U34.18
/Motor Control/EN_M1B: U9.5 U9.9 U9.12 U9.13 U10.1 U10.13 U34.17
/Motor Control/EN_M2A: U18.5 U18.9 U18.12 U18.13 U19.1 U19.13 U34.16
/Motor Control/EN_M2B: U25.5 U25.9 U25.12 U25.13 U26.1 U26.13 U34.15
/Motor Control/F/~{R}_MA: U2.1 U2.2 U2.4 U18.1 U18.2 U18.4 U34.20
/Motor Control/F/~{R}_MB: U9.1 U9.2 U9.4 U25.1 U25.2 U25.4 U34.19
/Motor Control/H-bridge #1/ENCODER_A_IN: R1.2 U69.1
/Motor Control/H-bridge #1/ENCODER_B_IN: R3.2 U69.3
/Motor Control/H-bridge #1/IN1: U3.6 U5.3
/Motor Control/H-bridge #1/IN2: U3.8 U5.2
/Motor Control/H-bridge #1/MOTOR+: J1.1 U5.6
/Motor Control/H-bridge #1/MOTOR-: J1.2 U5.8
/Motor Control/H-bridge #1/~{ENABLE_MOTOR}: U1.1 U1.7 U2.11
/Motor Control/H-bridge #1/~{FORWARD}/REVERSE: U2.3 U2.10
/Motor Control/H-bridge #2/ENCODER_A_IN: R4.2 U70.1
/Motor Control/H-bridge #2/ENCODER_B_IN: R6.2 U70.3
/Motor Control/H-bridge #2/IN1: U10.6 U12.3
/Motor Control/H-bridge #2/IN2: U10.8 U12.2
/Motor Control/H-bridge #2/MOTOR+: J2.1 U12.6
/Motor Control/H-bridge #2/MOTOR-: J2.2 U12.8
/Motor Control/H-bridge #2/~{ENABLE_MOTOR}: U8.1 U8.7 U9.11
/Motor Control/H-bridge #2/~{FORWARD}/REVERSE: U9.3 U9.10
/Motor Control/H-bridge #3/ENCODER_A_IN: R7.2 U71.1
/Motor Control/H-bridge #3/ENCODER_B_IN: R9.2 U71.3
/Motor Control/H-bridge #3/IN1: U19.6 U21.3
/Motor Control/H-bridge #3/IN2: U19.8 U21.2
/Motor Control/H-bridge #3/MOTOR+: J3.1 U21.6
/Motor Control/H-bridge #3/MOTOR-: J3.2 U21.8
/Motor Control/H-bridge #3/~{ENABLE_MOTOR}: U17.1 U17.7 U18.11
/Motor Control/H-bridge #3/~{FORWARD}/REVERSE: U18.3 U18.10
/Motor Control/H-bridge #4/ENCODER_A_IN: R10.2 U72.1
/Motor Control/H-bridge #4/ENCODER_B_IN: R12.2 U72.3
/Motor Control/H-bridge #4/IN1: U26.6 U28.3
/Motor Control/H-bridge #4/IN2: U26.8 U28.2
/Motor Control/H-bridge #4/MOTOR+: J4.1 U28.6
/Motor Control/H-bridge #4/MOTOR-: J4.2 U28.8
/Motor Control/H-bridge #4/~{ENABLE_MOTOR}: U24.1 U24.7 U25.11
/Motor Control/H-bridge #4/~{FORWARD}/REVERSE: U25.3 U25.10
/Motor Control/LIM_SW00: U34.4 U37.4
/Motor Control/LIM_SW01: U34.5 U38.4
/Motor Control/LIM_SW02: U34.6 U39.4
/Motor Control/LIM_SW03: U34.7 U40.4
/Motor Control/LIM_SW04: U34.8 U41.4
/Motor Control/LIM_SW05: U34.9 U42.4
/Motor Control/Limit Switches/LIM1: R17.2 R20.1 U73.1
/Motor Control/Limit Switches/LIM1_O: J8.1 U73.6
/Motor Control/Limit Switches/LIM2: R18.2 R21.1 U73.3
/Motor Control/Limit Switches/LIM2_O: J8.3 U73.4
/Motor Control/Limit Switches/LIM3: R19.2 R22.1 U74.1
/Motor Control/Limit Switches/LIM3_O: J8.5 U74.6
/Motor Control/Limit Switches/LIM4: R23.2 R26.1 U74.3
/Motor Control/Limit Switches/LIM4_O: J9.1 U74.4
/Motor Control/Limit Switches/LIM5: R24.2 R27.1 U75.1
/Motor Control/Limit Switches/LIM5_O: J9.3 U75.6
/Motor Control/Limit Switches/LIM6: R25.2 R28.1 U75.3
/Motor Control/Limit Switches/LIM6_O: J9.5 U75.4
/Motor Control/POT_~{RESET}: U33.15 U34.14
/Motor Control/VREF_M1A: C7.1 U5.4 U33.12
/Motor Control/VREF_M1B: C19.1 U12.4 U33.19
/Motor Control/VREF_M2A: C41.1 U21.4 U33.2
/Motor Control/VREF_M2B: C53.1 U28.4 U33.9
/Serial ports/CTS_IN1: U15.19 U31.7
/Serial ports/CTS_IN2: U16.19 U31.18
/Serial ports/CTS_IN3: U32.18 U51.19
/Serial ports/CTS_LINE1: J5.8 U15.4
/Serial ports/CTS_LINE2: J6.8 U16.4
/Serial ports/CTS_LINE3: J7.8 U51.4
/Serial ports/DCD_IN1: U15.16 U31.4
/Serial ports/DCD_IN2: U16.16 U31.15
/Serial ports/DCD_IN3: U32.15 U51.16
/Serial ports/DCD_LINE1: J5.1 U15.7
/Serial ports/DCD_LINE2: J6.1 U16.7
/Serial ports/DCD_LINE3: J7.1 U51.7
/Serial ports/DSR_IN1: U15.18 U31.6
/Serial ports/DSR_IN2: U16.18 U31.17
/Serial ports/DSR_IN3: U32.17 U51.18
/Serial ports/DSR_LINE1: J5.6 U15.5
/Serial ports/DSR_LINE2: J6.6 U16.5
/Serial ports/DSR_LINE3: J7.6 U51.5
/Serial ports/DTR_IN1: U15.12 U31.11
/Serial ports/DTR_IN2: U16.12 U31.14
/Serial ports/DTR_IN3: U32.14 U51.12
/Serial ports/DTR_LINE1: J5.4 U15.11
/Serial ports/DTR_LINE2: J6.4 U16.11
/Serial ports/DTR_LINE3: J7.4 U51.11
/Serial ports/RI_IN1: U15.17 U31.5
/Serial ports/RI_IN2: U16.17 U31.16
